# KiCad board Wrap030-Multiuser.kicad_pcb (continued)
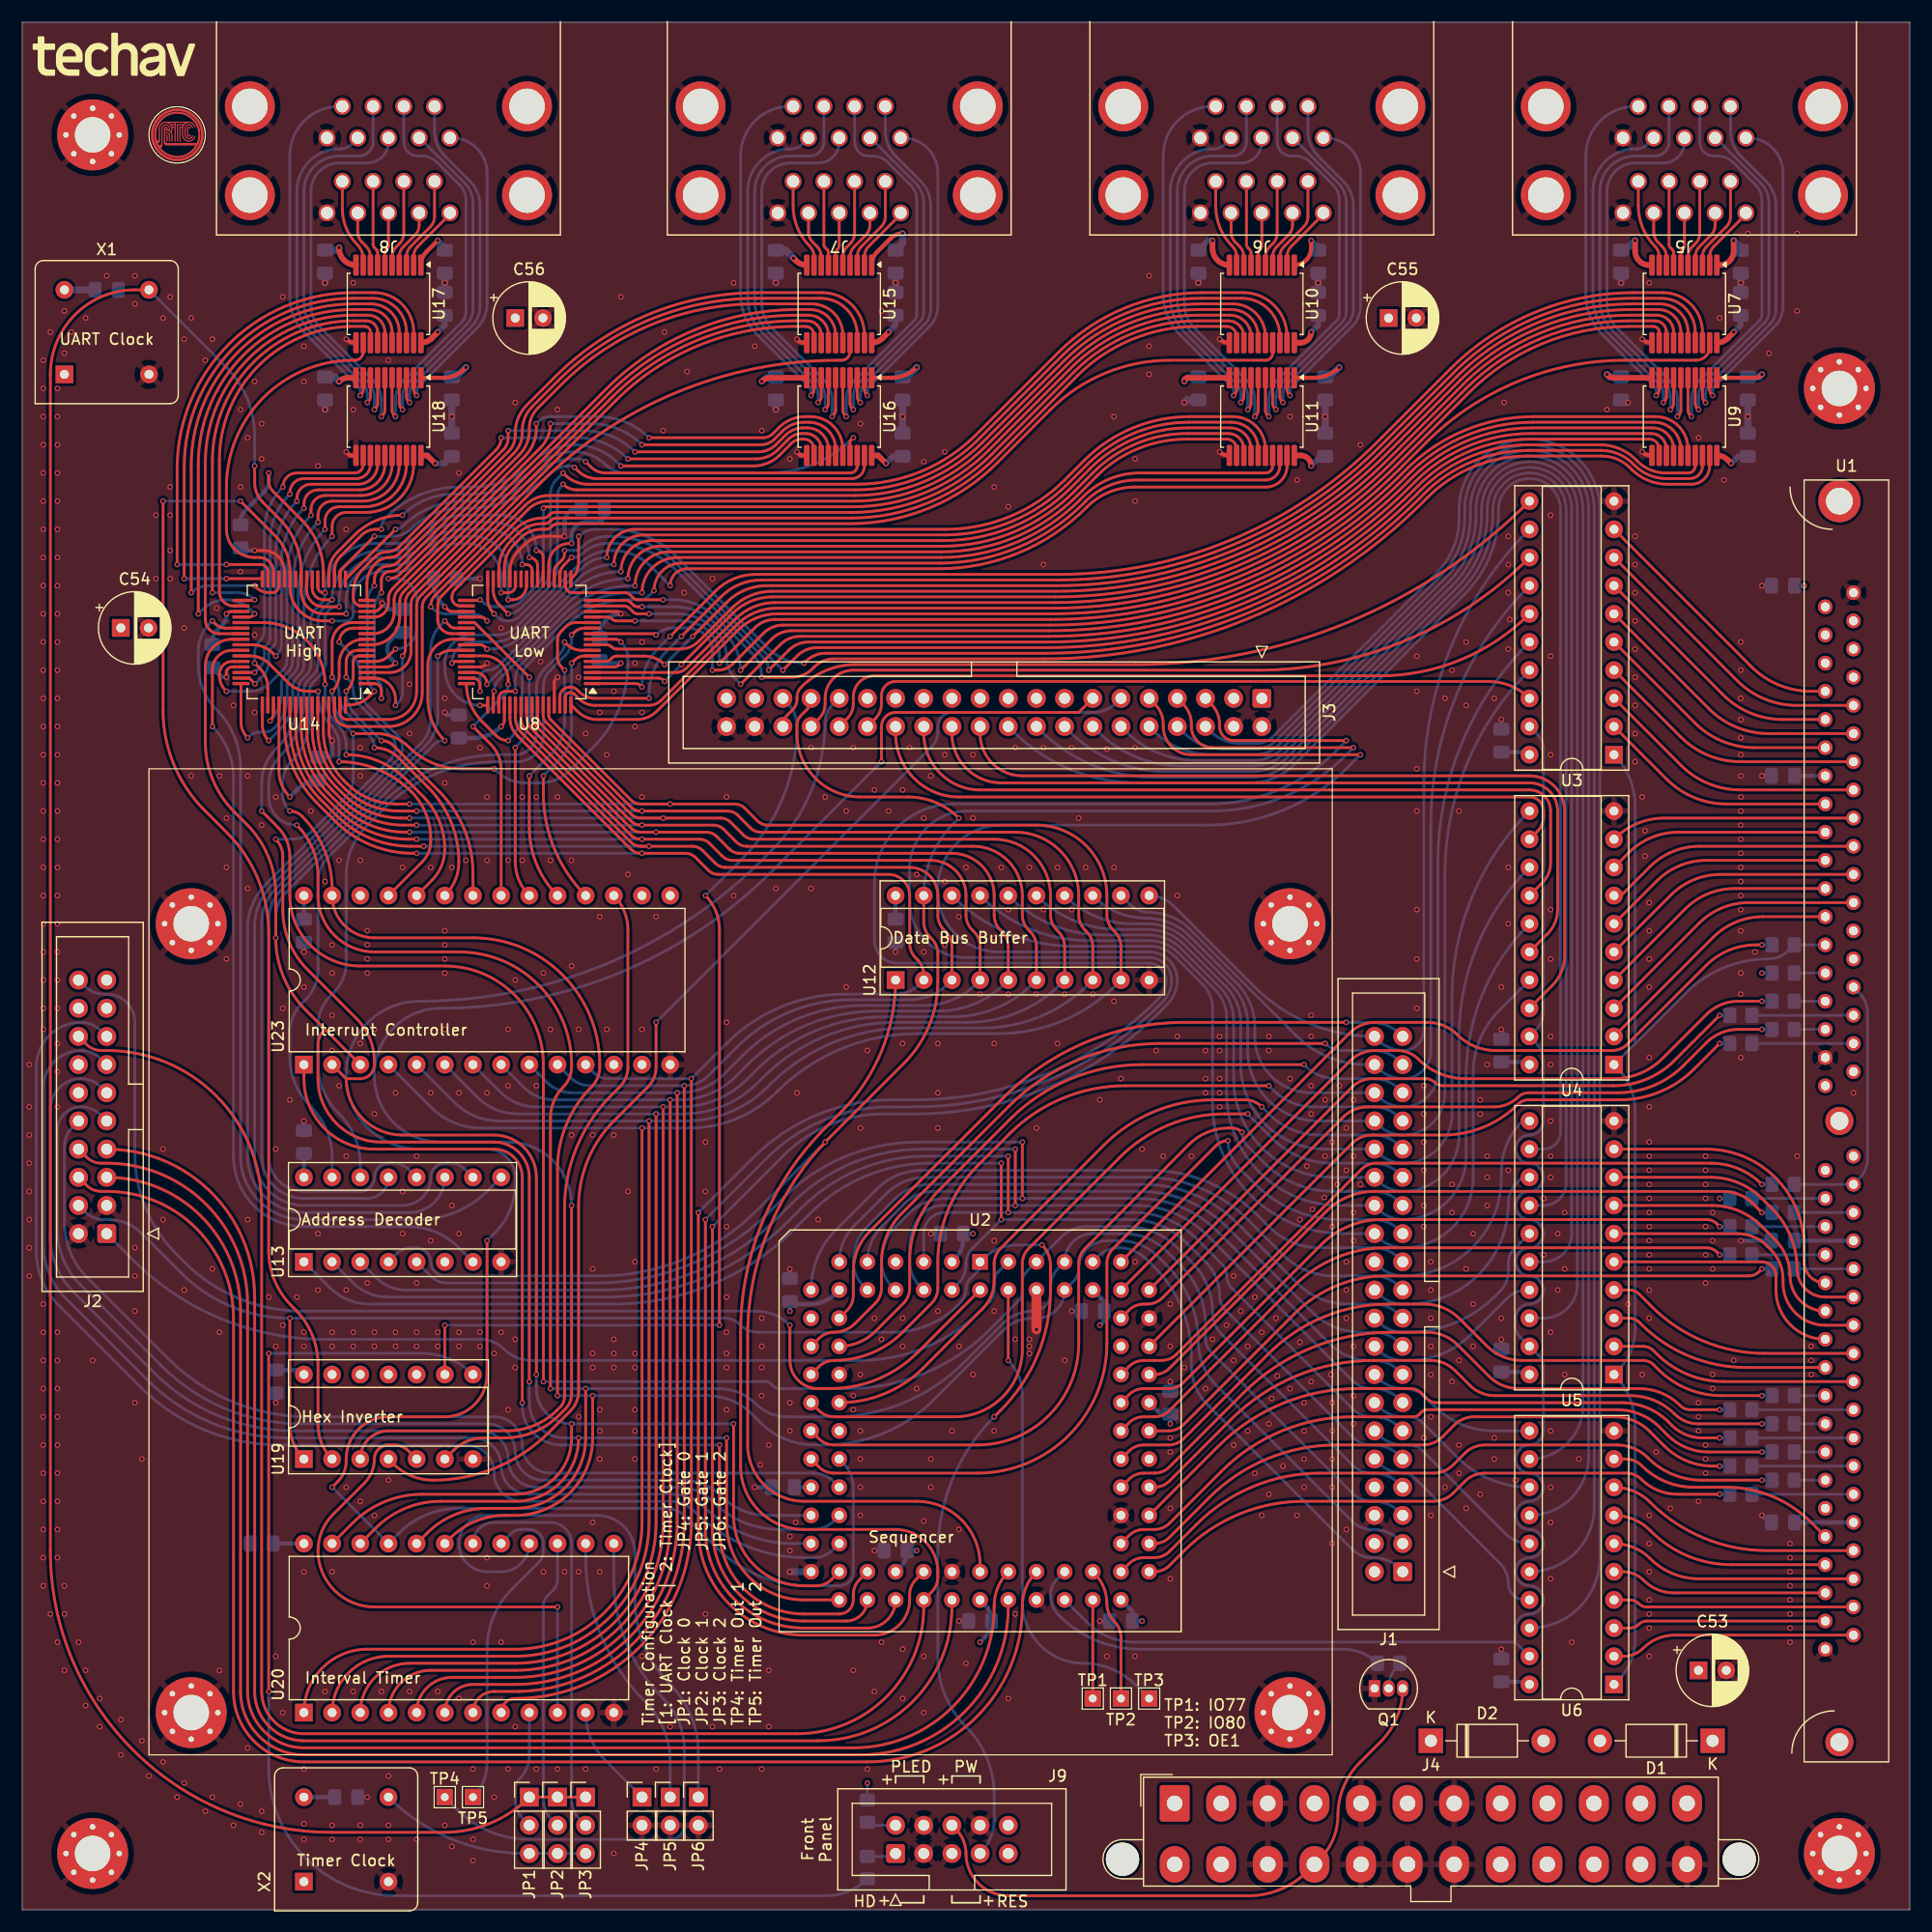
[diagram p0: board, top side]
## Footprints (pads in the part's own frame, mm; a bottom-side part is the same pattern mirrored in y, then rotated) (continued)
  round 1.422 hole 0.8: 2(0,-2.54) 3(-2.54,0) 4(-2.54,-2.54) 5(-5.08,0) 6(-5.08,-2.54) 7(-7.62,0) 8(-7.62,-2.54) 9(-10.16,0) 10(-10.16,-2.54) 11(-12.7,0) 12(-15.24,-2.54) 13(-12.7,-2.54) 14(-15.24,-5.08) 15(-12.7,-5.08) 16(-15.24,-7.62) 17(-12.7,-7.62) 18(-15.24,-10.16) 19(-12.7,-10.16) 20(-15.24,-12.7) 21(-12.7,-12.7) 22(-15.24,-15.24) 23(-12.7,-15.24) 24(-15.24,-17.78) 25(-12.7,-17.78) 26(-15.24,-20.32) 27(-12.7,-20.32) 28(-15.24,-22.86) 29(-12.7,-22.86) 30(-15.24,-25.4) 31(-12.7,-25.4) 32(-15.24,-27.94) 33(-12.7,-30.48) 34(-12.7,-27.94) 35(-10.16,-30.48) 36(-10.16,-27.94) 37(-7.62,-30.48) 38(-7.62,-27.94) 39(-5.08,-30.48) 40(-5.08,-27.94) 41(-2.54,-30.48) 42(-2.54,-27.94) 43(0,-30.48) 44(0,-27.94) 45(2.54,-30.48) 46(2.54,-27.94) 47(5.08,-30.48) 48(5.08,-27.94) 49(7.62,-30.48) 50(7.62,-27.94) 51(10.16,-30.48) 52(10.16,-27.94) 53(12.7,-30.48) 54(15.24,-27.94) 55(12.7,-27.94) 56(15.24,-25.4) 57(12.7,-25.4) 58(15.24,-22.86) 59(12.7,-22.86) 60(15.24,-20.32) 61(12.7,-20.32) 62(15.24,-17.78) 63(12.7,-17.78) 64(15.24,-15.24) 65(12.7,-15.24) 66(15.24,-12.7) 67(12.7,-12.7) 68(15.24,-10.16) 69(12.7,-10.16) 70(15.24,-7.62) 71(12.7,-7.62) 72(15.24,-5.08) 73(12.7,-5.08) 74(15.24,-2.54) 75(12.7,0) 76(12.7,-2.54) 77(10.16,0) 78(10.16,-2.54) 79(7.62,0) 80(7.62,-2.54) 81(5.08,0) 82(5.08,-2.54) 83(2.54,0) 84(2.54,-2.54)
R_0805_2012Metric_Pad1.20x1.40mm_HandSolder
  rrect 1.2x1.4 smd: 1(-1,0) 2(1,0)
SIMM72
  round 3.81 hole 2.413: (-55.88,0)
  round 2.54 hole 1.626: (0,0) (56.007,0)
  round 1.321 hole 0.813: 1(47.625,-1.27) 2(46.355,1.27) 3(45.085,-1.27) 4(43.815,1.27) 5(42.545,-1.27) 6(41.275,1.27) 7(40.005,-1.27) 8(38.735,1.27) 9(37.465,-1.27) 10(36.195,1.27) 11(34.925,-1.27) 12(33.655,1.27) 13(32.385,-1.27) 14(31.115,1.27) 15(29.845,-1.27) 16(28.575,1.27) 17(27.305,-1.27) 18(26.035,1.27) 19(24.765,-1.27) 20(23.495,1.27) 21(22.225,-1.27) 22(20.955,1.27) 23(19.685,-1.27) 24(18.415,1.27) 25(17.145,-1.27) 26(15.875,1.27) 27(14.605,-1.27) 28(13.335,1.27) 29(12.065,-1.27) 30(10.795,1.27) 31(9.525,-1.27) 32(8.255,1.27) 33(6.985,-1.27) 34(5.715,1.27) 35(4.445,-1.27) 36(3.175,1.27) 37(-3.175,-1.27) 38(-4.445,1.27) 39(-5.715,-1.27) 40(-6.985,1.27) 41(-8.255,-1.27) 42(-9.525,1.27) 43(-10.795,-1.27) 44(-12.065,1.27) 45(-13.335,-1.27) 46(-14.605,1.27) 47(-15.875,-1.27) 48(-17.145,1.27) 49(-18.415,-1.27) 50(-19.685,1.27) 51(-20.955,-1.27) 52(-22.225,1.27) 53(-23.495,-1.27) 54(-24.765,1.27) 55(-26.035,-1.27) 56(-27.305,1.27) 57(-28.575,-1.27) 58(-29.845,1.27) 59(-31.115,-1.27) 60(-32.385,1.27) 61(-33.655,-1.27) 62(-34.925,1.27) 63(-36.195,-1.27) 64(-37.465,1.27) 65(-38.735,-1.27) 66(-40.005,1.27) 67(-41.275,-1.27) 68(-42.545,1.27) 69(-43.815,-1.27) 70(-45.085,1.27) 71(-46.355,-1.27) 72(-47.625,1.27)
SSOP-20_5.3x7.2mm_P0.65mm
  rrect 1.9x0.5 smd: 1(-3.5,2.925) 2(-3.5,2.275) 3(-3.5,1.625) 4(-3.5,0.975) 5(-3.5,0.325) 6(-3.5,-0.325) 7(-3.5,-0.975) 8(-3.5,-1.625) 9(-3.5,-2.275) 10(-3.5,-2.925) 11(3.5,-2.925) 12(3.5,-2.275) 13(3.5,-1.625) 14(3.5,-0.975) 15(3.5,-0.325) 16(3.5,0.325) 17(3.5,0.975) 18(3.5,1.625) 19(3.5,2.275) 20(3.5,2.925)
TestPoint_THTPad_1.5x1.5mm_Drill0.7mm
  rect 1.5x1.5 hole 0.7: 1(0,0)
TO-92_Inline
  rect 1.05x1.5 hole 0.75: 1(0,0)
  oval 1.05x1.5 hole 0.75: 2(1.27,0) 3(2.54,0)

## Nets
+3.3V: J4.1 J4.2 J4.12 J4.13
+5VP: J4.9
+12V: C2.1 C5.1 C8.1 C11.1 C14.1 C17.1 C20.1 C23.1 D1.1 U7.1 U9.1 U10.1 U11.1 U15.1 U16.1 U17.1 U18.1
-12V: C3.2 C6.2 C9.2 C12.2 C15.2 C18.2 C21.2 C24.2 D2.2 U7.10 U9.10 U10.10 U11.10 U15.10 U16.10 U17.10 U18.10
/+12V-In: D1.2 J4.10 J4.11
/-12V-In: D2.1 J4.14
GND: C1.2 C2.2 C3.1 C4.2 C5.2 C6.1 C7.2 C8.2 C9.1 C10.2 C11.2 C12.1 C13.2 C14.2 C15.1 C16.2 C17.2 C18.1 C19.2 C20.2 C21.1 C22.2 C23.2 C24.1 C25.2 C26.2 C27.2 C28.2 C29.2 C30.2 C31.2 C32.2 C33.2 C34.2 C35.2 C36.2 C37.2 C38.2 C39.2 C40.2 C41.2 C42.2 C43.2 C44.2 C45.2 C46.2 C47.2 C48.2 C49.2 C50.2 C51.2 C52.2 C53.2 C54.2 C55.2 C56.2 C57.2 C58.2 C59.2 H1.1 H2.1 H3.1 H4.1 H5.1 H6.1 H7.1 H8.1 J1.6 J1.8 J2.2 J2.3 J3.2 J3.4 J3.38 J3.40 J4.3 J4.5 J4.7 J4.15 J4.17 J4.18 J4.19 J4.24 J5.A5 J5.B5 J5.S J6.A5 J6.B5 J6.S J7.A5 J7.B5 J7.S J8.A5 J8.B5 J8.S J9.3 J9.4 J9.5 J9.8 JP4.2 JP5.2 JP6.2 Q1.1 U1.1 U1.39 U1.72 U2.7 U2.19 U2.32 U2.42 U2.47 U2.59 U2.72 U2.82 U3.10 U4.10 U5.10 U6.10 U7.11 U8.14 U8.28 U8.45 U8.61 U9.11 U10.11 U11.11 U12.10 U13.8 U14.14 U14.28 U14.45 U14.61 U15.11 U16.11 U17.11 U18.11 U19.7 U20.12 U23.14 X1.4 X2.4
VCC: C1.1 C4.1 C7.1 C10.1 C13.1 C16.1 C19.1 C22.1 C25.1 C26.1 C27.1 C28.1 C29.1 C30.1 C31.1 C32.1 C33.1 C34.1 C35.1 C36.1 C37.1 C38.1 C39.1 C40.1 C41.1 C42.1 C43.1 C44.1 C45.1 C46.1 C47.1 C48.1 C49.1 C50.1 C51.1 C52.1 C53.1 C54.1 C55.1 C56.1 C57.1 C58.1 C59.1 J1.2 J1.4 J3.1 J3.3 J3.37 J3.39 J4.4 J4.6 J4.21 J4.22 J4.23 R19.1 R20.1 R22.1 U1.10 U1.30 U1.59 U2.3 U2.13 U2.26 U2.38 U2.43 U2.53 U2.66 U2.78 U3.20 U4.20 U5.20 U6.20 U7.20 U8.4 U8.21 U8.35 U8.52 U9.20 U10.20 U11.20 U12.20 U13.6 U13.16 U14.4 U14.21 U14.35 U14.52 U15.20 U16.20 U17.20 U18.20 U19.14 U20.24 U23.28 X1.8 X2.8
/COM0-CTS: J5.A8 U7.7
/COM0-DCD: J5.A1 U7.2
/COM0-DSR: J5.A6 U7.3
/COM0-DTR: J5.A4 U7.8
/COM0-RI: J5.A9 U7.9
/COM0-RTS: J5.A7 U7.5
/COM0-RXD: J5.A2 U7.4
/COM0-TXD: J5.A3 U7.6
/COM1-CTS: J5.B8 U9.7
/COM1-DCD: J5.B1 U9.2
/COM1-DSR: J5.B6 U9.3
/COM1-DTR: J5.B4 U9.8
/COM1-RI: J5.B9 U9.9
/COM1-RTS: J5.B7 U9.5
/COM1-RXD: J5.B2 U9.4
/COM1-TXD: J5.B3 U9.6
/COM2-CTS: J6.A8 U10.7
/COM2-DCD: J6.A1 U10.2
/COM2-DSR: J6.A6 U10.3
/COM2-DTR: J6.A4 U10.8
/COM2-RI: J6.A9 U10.9
/COM2-RTS: J6.A7 U10.5
/COM2-RXD: J6.A2 U10.4
/COM2-TXD: J6.A3 U10.6
/COM3-CTS: J6.B8 U11.7
/COM3-DCD: J6.B1 U11.2
/COM3-DSR: J6.B6 U11.3
/COM3-DTR: J6.B4 U11.8
/COM3-RI: J6.B9 U11.9
/COM3-RTS: J6.B7 U11.5
/COM3-RXD: J6.B2 U11.4
/COM3-TXD: J6.B3 U11.6
/COM4-CTS: J7.A8 U15.7
/COM4-DCD: J7.A1 U15.2
/COM4-DSR: J7.A6 U15.3
/COM4-DTR: J7.A4 U15.8
/COM4-RI: J7.A9 U15.9
/COM4-RTS: J7.A7 U15.5
/COM4-RXD: J7.A2 U15.4
/COM4-TXD: J7.A3 U15.6
/COM5-CTS: J7.B8 U16.7
/COM5-DCD: J7.B1 U16.2
/COM5-DSR: J7.B6 U16.3
/COM5-DTR: J7.B4 U16.8
/COM5-RI: J7.B9 U16.9
/COM5-RTS: J7.B7 U16.5
/COM5-RXD: J7.B2 U16.4
/COM5-TXD: J7.B3 U16.6
/COM6-CTS: J8.A8 U17.7
/COM6-DCD: J8.A1 U17.2
/COM6-DSR: J8.A6 U17.3
/COM6-DTR: J8.A4 U17.8
/COM6-RI: J8.A9 U17.9
/COM6-RTS: J8.A7 U17.5
/COM6-RXD: J8.A2 U17.4
/COM6-TXD: J8.A3 U17.6
/COM7-CTS: J8.B8 U18.7
/COM7-DCD: J8.B1 U18.2
/COM7-DSR: J8.B6 U18.3
/COM7-DTR: J8.B4 U18.8
/COM7-RI: J8.B9 U18.9
/COM7-RTS: J8.B7 U18.5
/COM7-RXD: J8.B2 U18.4
/COM7-TXD: J8.B3 U18.6
/CPU-A0: J2.10 U2.27
/CPU-A1: J1.1 U2.77
/CPU-A2: J1.3 U2.80 U8.24 U14.24 U20.19 U23.27
/CPU-A3: J1.5 U2.79 U8.23 U14.23 U20.20
/CPU-A4: J1.7 U2.81 U8.22 U14.22
/CPU-A5: J1.9 U2.4 U13.1
/CPU-A6: J1.11 U2.5 U13.2
/CPU-A7: J1.13 U2.6 U13.3
/CPU-A8: J1.15 U2.8 U13.5
/CPU-A9: J1.17 U2.9
/CPU-A10: J1.19 U2.10
/CPU-A11: J1.21 U2.11
/CPU-A12: J1.23 U2.12
/CPU-A13: J1.25 U2.24
/CPU-A14: J1.27 U2.22
/CPU-A15: J1.29 U2.20
/CPU-A16: J1.31 U2.21
/CPU-A17: J1.33 U2.18
/CPU-A18: J1.35 U2.17
/CPU-A19: J1.37 U2.16
/CPU-A20: J1.39 U2.15
/CPU-A21: J2.9 U2.28
/CPU-A22: J2.11 U2.29
/CPU-A23: J2.13 U2.30
/CPU-A31: J2.15 U2.31
/CPU-CLK: J2.1 U2.83
/CPU-D0: J3.6 U6.18
/CPU-D1: J3.8 U6.16
/CPU-D2: J3.10 U6.14
/CPU-D3: J3.12 U6.12
/CPU-D4: J3.14 U5.18
/CPU-D5: J3.16 U5.16
/CPU-D6: J3.18 U5.14
/CPU-D7: J3.20 U5.12
/CPU-D8: J3.22 U4.18
/CPU-D9: J3.24 U4.16
/CPU-D10: J3.26 U4.14
/CPU-D11: J3.28 U4.12
/CPU-D12: J3.30 U3.18
/CPU-D13: J3.32 U3.15
/CPU-D14: J3.34 U3.13
/CPU-D15: J3.36 U3.11
/CPU-D16: J1.10 U6.17
/CPU-D17: J1.12 U6.15
/CPU-D18: J1.14 U6.13
/CPU-D19: J1.16 U6.11
/CPU-D20: J1.18 U5.17
/CPU-D21: J1.20 U5.15
/CPU-D22: J1.22 U5.13
/CPU-D23: J1.24 U5.11
/CPU-D24: J1.26 U4.17 U12.18
/CPU-D25: J1.28 U4.15 U12.17
/CPU-D26: J1.30 U4.13 U12.16
/CPU-D27: J1.32 U4.11 U12.15
/CPU-D28: J1.34 U3.17 U12.14
/CPU-D29: J1.36 U3.16 U12.13
/CPU-D30: J1.38 U3.14 U12.12
/CPU-D31: J1.40 U3.12 U12.11
/CPU-FC0: J2.19
/CPU-FC1: J2.17
/CPU-R/~{W}: J2.16 U2.39 U12.1
/CPU-SIZ0: J2.8 U2.46
/CPU-SIZ1: J2.6 U2.48
/GLU-TCK: U2.62
/GLU-TDI: U2.14
/GLU-TDO: U2.71
/GLU-TMS: U2.23
/IDE-CE: R23.1 U19.8
/IDE-CE-R: J9.1 R23.2
/IRQ0: U19.3 U23.17
/MEM-A0: R1.1 U2.54
/MEM-A0-R: R1.2 U1.12
/MEM-A1: R2.1 U2.55
/MEM-A1-R: R2.2 U1.13
/MEM-A2: R3.1 U2.56
/MEM-A2-R: R3.2 U1.14
/MEM-A3: R4.1 U2.57
/MEM-A3-R: R4.2 U1.15
/MEM-A4: R5.1 U2.58
/MEM-A4-R: R5.2 U1.16
/MEM-A5: R6.1 U2.60
/MEM-A5-R: R6.2 U1.17
/MEM-A6: R7.1 U2.61
/MEM-A6-R: R7.2 U1.18
/MEM-A7: R8.1 U2.64
/MEM-A7-R: R8.2 U1.28
/MEM-A8: R9.1 U2.67
/MEM-A8-R: R9.2 U1.31
/MEM-A9: R10.1 U2.68
/MEM-A9-R: R10.2 U1.32
/MEM-A10: R11.1 U2.63
/MEM-A10-R: R11.2 U1.19
/MEM-A11: R12.1 U2.65
/MEM-A11-R: R12.2 U1.29
/MEM-D0: U1.2 U6.2
/MEM-D1: U1.4 U6.4
/MEM-D2: U1.6 U6.6
/MEM-D3: U1.8 U6.8
/MEM-D4: U1.20 U5.2
/MEM-D5: U1.22 U5.4
/MEM-D6: U1.24 U5.6
/MEM-D7: U1.26 U5.8
/MEM-D8: U1.49 U4.2
/MEM-D9: U1.51 U4.4
/MEM-D10: U1.53 U4.6
/MEM-D11: U1.55 U4.8
/MEM-D12: U1.57 U3.2
/MEM-D13: U1.61 U3.5
/MEM-D14: U1.63 U3.7
/MEM-D15: U1.65 U3.9
/MEM-D16: U1.3 U6.3
/MEM-D17: U1.5 U6.5
/MEM-D18: U1.7 U6.7
/MEM-D19: U1.9 U6.9
/MEM-D20: U1.21 U5.3
/MEM-D21: U1.23 U5.5
/MEM-D22: U1.25 U5.7
/MEM-D23: U1.27 U5.9
/MEM-D24: U1.50 U4.3
/MEM-D25: U1.52 U4.5
/MEM-D26: U1.54 U4.7
/MEM-D27: U1.56 U4.9
/MEM-D28: U1.58 U3.3
/MEM-D29: U1.60 U3.4
/MEM-D30: U1.62 U3.6
/MEM-D31: U1.64 U3.8
/PIT-CLK: JP1.3 JP2.3 JP3.3 X2.5
/PIT-CLK0: JP1.2 U20.9
/PIT-CLK1: JP2.2 U20.15
/PIT-CLK2: JP3.2 U20.18
/PIT-GATE0: JP4.1 U20.11
/PIT-GATE1: JP5.1 U20.14
/PIT-GATE2: JP6.1 U20.16
/PIT-OUT0: U19.5 U20.10
/PIT-OUT1: TP4.1 U20.13
/PIT-OUT2: TP5.1 U20.17
/PSU-ON: R21.1 U2.50
/PSU-ON-R: Q1.2 R21.2
/PWR-LED: J9.2 R22.2
/RESET: U8.27 U14.27 U19.2
/UART0-CTS: U7.14 U8.2
/UART0-DCD: U7.19 U8.64
/UART0-DSR: U7.18 U8.1
/UART0-DTR: U7.13 U8.3
/UART0-INT: U8.6 U23.18
/UART0-RI: U7.12 U8.63
/UART0-RTS: U7.16 U8.5
/UART0-RXD: U7.17 U8.62
/UART0-TXD: U7.15 U8.8
/UART1-CTS: U8.16 U9.14
/UART1-DCD: U8.18 U9.19
/UART1-DSR: U8.17 U9.18
/UART1-DTR: U8.15 U9.13
/UART1-INT: U8.12 U23.19
/UART1-RI: U8.19 U9.12
/UART1-RTS: U8.13 U9.16
/UART1-RXD: U8.20 U9.17
/UART1-TXD: U8.10 U9.15
/UART2-CTS: U8.33 U10.14
/UART2-DCD: U8.31 U10.19
/UART2-DSR: U8.32 U10.18
/UART2-DTR: U8.34 U10.13
/UART2-INT: U8.37 U23.20
/UART2-RI: U8.30 U10.12
/UART2-RTS: U8.36 U10.16
/UART2-RXD: U8.29 U10.17
/UART2-TXD: U8.39 U10.15
/UART3-CTS: U8.47 U11.14
/UART3-DCD: U8.49 U11.19
/UART3-DSR: U8.48 U11.18
/UART3-DTR: U8.46 U11.13
/UART3-INT: U8.43 U23.21
/UART3-RI: U8.50 U11.12
/UART3-RTS: U8.44 U11.16
/UART3-RXD: U8.51 U11.17
/UART3-TXD: U8.41 U11.15
/UART4-CTS: U14.2 U15.14
/UART4-DCD: U14.64 U15.19
/UART4-DSR: U14.1 U15.18
/UART4-DTR: U14.3 U15.13
/UART4-INT: U14.6 U23.22
/UART4-RI: U14.63 U15.12
/UART4-RTS: U14.5 U15.16
/UART4-RXD: U14.62 U15.17
/UART4-TXD: U14.8 U15.15
/UART5-CTS: U14.16 U16.14
/UART5-DCD: U14.18 U16.19
/UART5-DSR: U14.17 U16.18
/UART5-DTR: U14.15 U16.13
/UART5-INT: U14.12 U23.23
/UART5-RI: U14.19 U16.12
/UART5-RTS: U14.13 U16.16
/UART5-RXD: U14.20 U16.17
/UART5-TXD: U14.10 U16.15
/UART6-CTS: U14.33 U17.14
/UART6-DCD: U14.31 U17.19
/UART6-DSR: U14.32 U17.18
/UART6-DTR: U14.34 U17.13
/UART6-INT: U14.37 U23.24
/UART6-RI: U14.30 U17.12
/UART6-RTS: U14.36 U17.16
/UART6-RXD: U14.29 U17.17
/UART6-TXD: U14.39 U17.15
/UART7-CTS: U14.47 U18.14
/UART7-DCD: U14.49 U18.19
/UART7-DSR: U14.48 U18.18
/UART7-DTR: U14.46 U18.13
/UART7-INT: U14.43 U23.25
/UART7-RI: U14.50 U18.12
/UART7-RTS: U14.44 U18.16
/UART7-RXD: U14.51 U18.17
/UART7-TXD: U14.41 U18.15
/UART-CLK: JP1.1 JP2.1 JP3.1 U8.25 U14.25 X1.5
/UART-D24: U8.53 U12.2 U14.53 U20.8 U23.11
/UART-D25: U8.54 U12.3 U14.54 U20.7 U23.10
/UART-D26: U8.55 U12.4 U14.55 U20.6 U23.9
/UART-D27: U8.56 U12.5 U14.56 U20.5 U23.8
/UART-D28: U8.57 U12.6 U14.57 U20.4 U23.7
/UART-D29: U8.58 U12.7 U14.58 U20.3 U23.6
/UART-D30: U8.59 U12.8 U14.59 U20.2 U23.5
/UART-D31: U8.60 U12.9 U14.60 U20.1 U23.4
/~{CPU-AS}: J2.20 U2.2
/~{CPU-BERR}: J2.12
/~{CPU-CBACK}: J3.7 U2.37
/~{CPU-CBREQ}: J3.5 U2.40
/~{CPU-DSACK0}: J2.7 U2.41
/~{CPU-DSACK1}: J2.5 U2.45
/~{CPU-DS}: J2.18
/~{CPU-HALT}: J2.14
/~{CPU-STERM}: J3.9 U2.35
/~{IDE-CE}: J3.35 U19.9
/~{IO-RD}: U2.33 U8.40 U14.40 U20.22 U23.3
/~{IO-WR}: U2.34 U8.9 U14.9 U20.23 U23.2
/~{IRQ0}: J3.11 U19.4
/~{IRQ1}: J3.13 U19.6
/~{MEM-CAS0-R}: R14.2 U1.40
/~{MEM-CAS0}: R14.1 U2.70
/~{MEM-CAS1-R}: R15.2 U1.43
/~{MEM-CAS1}: R15.1 U2.76
/~{MEM-CAS2-R}: R16.2 U1.41
/~{MEM-CAS2}: R16.1 U2.73
/~{MEM-CAS3-R}: R17.2 U1.42
/~{MEM-CAS3}: R17.1 U2.74
/~{MEM-CE}: U2.49 U3.19 U4.19 U5.19 U6.19
/~{MEM-RAS-R}: R13.2 U1.34 U1.44
/~{MEM-RAS}: R13.1 U2.69
/~{MEM-WE-R}: R18.2 U1.47 U3.1 U4.1 U5.1 U6.1
/~{MEM-WE}: R18.1 U2.75
/~{PIC-CE}: U2.36 U23.1
/~{PIT-CE}: J3.31 U2.25 U20.21
/~{PSU-ON}: J4.16 J9.6 Q1.3
/~{RESET}: J2.4 J9.7 U2.1 U19.1
/~{UART0-CS}: U8.7 U13.15
/~{UART1-CS}: U8.11 U13.14
/~{UART2-CS}: U8.38 U13.13
/~{UART3-CS}: U8.42 U13.12
/~{UART4-CS}: U13.11 U14.7
/~{UART5-CS}: U13.10 U14.11
/~{UART6-CS}: U13.9 U14.38
/~{UART7-CS}: U13.7 U14.42
/~{UART-CE}: J3.33 U2.44 U12.19 U13.4
Net-(U1-~{RAS1}): R19.2 U1.45
Net-(U1-~{RAS3}): R20.2 U1.33
Net-(U2A-IO77): TP1.1 U2.51
Net-(U2A-IO80): TP2.1 U2.52
Net-(U2A-OE1): TP3.1 U2.84

Pads without a net: J3 15 17 19 21 23 25 27 29; J4 8 20; J9 9 10; U1 11 35 36 37 38 46 48 66 67 68 69 70 71; U8 26; U14 26; U19 10 11 12 13; U23 12 13 15 16 26; X1 1; X2 1

## Via types
v1: diameter 0.5, hole 0.3, Top to Bottom, 1148 vias

## Routing (per net, layer and track width the routed paths; a pad name or vN(x,y) marks a point on that pad's centre or on a via; arc(x,y) is an arc through that point)
+12V: length 41.8
  Top w0.381: U18.1 38.01,138.12 arc(38.98,138.31) 39.8,138.86 v1(40.01,139.06) ; v1(116.2,150.5) 116.2,149.8 arc(115.76,148.73) U10.1 ; U11.1 116.46,138.12 arc(117.7,138.37) v1(118.74,139.06) ; 153.04,148.28 U7.1 ; v1(156.85,138.43) 156.72,138.31 arc(156.51,138.17) 156.27,138.12 U9.1 ; U16.1 78.36,138.12 arc(79.6,138.37) v1(80.64,139.06) ; v1(37.47,150.5) 36.44,149.47 arc(36.07,148.92) U17.1 ; U15.1 arc(76.71,148.92) 77.08,149.47 78.29,150.68 arc(78.79,151.01) v1(79.38,151.13)
  Top w0.508: v1(154.31,150.5) 154.31,149.55 arc(153.93,148.65) 153.04,148.28
  Bottom w0.508: v1(37.47,150.5) 38.1,149.86 C20.1 ; v1(116.2,150.5) 116.84,149.86 C8.1
  Bottom w0.635: v1(156.85,138.43) 156.61,138.2 C5.1 ; C17.1 79.78,138.2 v1(80.64,139.06) ; C11.1 117.88,138.2 v1(118.74,139.06) ; v1(79.38,151.13) 79.38,150.26 C14.1 ; v1(40.01,139.06) 39.14,138.2 C23.1 ; v1(154.31,150.5) 154.94,149.86 C2.1
-12V: length 36.5
  Top w0.508: U11.10 105.03,138.12 arc(104.85,138.05) 104.77,137.87 v1(104.77,137.8) ; U16.10 67.46,138.12 arc(67.03,138.04) v1(66.67,137.8) ; v1(69.53,148.91) 69.75,148.69 arc(70.2,148.39) U15.10 ; 146.94,148.28 146.69,148.28 arc(145.79,148.65) 145.42,149.55 v1(145.42,150.5) ; 146.94,138.12 143.45,138.12 arc(143.21,138.17) 143,138.31 v1(142.88,138.43) ; v1(28.58,149.86) 28.58,149.8 arc(29.02,148.73) U17.10 ; U18.10 29.36,138.12 arc(28.93,138.04) v1(28.58,137.8) ; v1(107.32,150.5) 107.32,149.8 arc(107.76,148.73) U10.10
  Bottom w0.508: C18.2 67.08,138.2 v1(66.67,137.8) ; v1(104.77,137.8) 105.18,138.2 C12.2 ; v1(107.32,150.5) 106.91,150.5 C9.2
  Bottom w0.635: C3.2 144.55,149.63 v1(145.42,150.5) ; v1(28.58,137.8) 28.17,138.2 C24.2 ; C21.2 28.34,149.63 v1(28.58,149.86) ; C6.2 143.11,138.2 v1(142.88,138.43) ; v1(69.53,148.91) 68.81,149.63 C15.2
GND: length 103.1
  Top w0.254: v1(53.98,116.84) 53.84,116.98 arc(53.76,117.03) 53.66,117.05 U8.14 ; U14.14 31.7,117.05 arc(31.9,117.08) 32.09,117.18 32.46,117.55 v1(32.46,117.81) ; v1(48.26,111.13) 48.12,110.98 arc(48.01,110.82) 47.97,110.62 U8.61 ; v1(41.91,112.4) 41.75,112.24 arc(41.54,112.1) 41.3,112.05 U8.45 ; v1(20.95,122.56) 21.75,122.56 arc(23.09,122) 23.65,120.65 U14.28 ; v1(48.89,123.83) 47.09,123.83 arc(46.12,123.63) 45.29,123.08 44.71,122.5 arc(44.16,121.68) 43.97,120.71 U8.28 ; v1(27.94,105.41) 27.94,105.41 arc(27.72,105.73) 27.65,106.11 U14.61 ; v1(18.42,111.13) 18.42,111.54 arc(18.56,111.9) 18.92,112.05 U14.45
  Top w0.381: U10.11 108.73,141.28 arc(108.31,141.36) v1(107.95,141.61) ; v1(29.21,131.44) 29.53,131.12 U18.11 ; U11.11 108.73,131.12 arc(108.31,131.2) v1(107.95,131.44) ; v1(69.85,141.61) 70.01,141.44 arc(70.19,141.32) 70.41,141.28 U15.11 ; 146.94,131.12 146.83,131.12 arc(146.41,131.2) v1(146.05,131.44) ; U17.11 29.99,141.28 arc(29.57,141.36) v1(29.21,141.61) ; U16.11 70.17,131.12 v1(69.85,131.44) ; 146.94,141.28 146.83,141.28 arc(146.41,141.36) v1(146.05,141.61)
  Top w0.889: v1(91.44,52.32) U2.82
  Bottom w0.381: C33.2 v1(133.35,107.32) ; C42.2 v1(76.84,32.39) ; C32.2 v1(41.28,120.02) ; C50.2 v1(25.4,71.12) ; v1(32.46,117.81) 33.02,117.24 C27.2 ; C47.2 v1(154.94,60.33) ; C29.2 50.17,126.37 arc(49.27,125.99) 48.89,125.1 v1(48.89,123.83) ; C48.2 v1(156.85,119.38) ; C45.2 157.48,34.93 v1(156.85,35.56) ; C30.2 52.07,114.94 arc(52.63,116.28) v1(53.98,116.84) ; C49.2 v1(25.4,86.36) ; C41.2 v1(84.45,26.04) ; v1(22.86,45.72) C52.2 ; C46.2 v1(156.85,102.24) ; C34.2 v1(133.35,79.38) ; v1(20.95,122.56) 19.92,122.56 C26.2 ; C38.2 v1(81.92,60.96) ; C36.2 v1(133.35,23.5) ; C31.2 38.33,107.72 v1(38.1,107.95) ; C25.2 27.71,103.91 27.94,104.14 v1(27.94,105.41) ; C39.2 v1(94.61,53.98) ; v1(18.42,111.13) 18.01,111.13 C28.2 ; C37.2 v1(69.22,57.79) ; C40.2 v1(103.51,47.62) ; C51.2 v1(78.74,86.36) ; C44.2 v1(66.04,38.1) ; C35.2 v1(133.35,51.44) ; C43.2 v1(97.16,26.04)
  Bottom w0.635: C9.1 v1(106.05,146.69) ; C10.2 v1(117.48,134.62) C11.2 ; C16.2 v1(79.38,134.62) C17.2 ; C15.1 v1(67.95,146.69) ; C13.2 v1(78.74,146.69) C14.2 ; v1(104.77,135.89) 105.01,136.12 C12.1 ; C4.2 v1(155.57,134.62) C5.2 ; C18.1 v1(67.95,135.25) ; C21.1 v1(27.31,146.69) ; C1.2 v1(154.94,146.69) C2.2 ; C24.1 v1(27.31,135.25) ; C22.2 v1(38.73,134.62) C23.2 ; v1(69.22,30.48) U2.32 ; C20.2 v1(38.1,146.69) C19.2 ; C8.2 v1(116.84,146.69) C7.2 ; C3.1 v1(144.14,146.69)
  vias: v1(0.64,76.2) v1(0.64,72.39) v1(0.64,69.85) v1(0.64,67.31) v1(0.64,64.77) v1(0.64,62.23) v1(0.64,59.69) v1(0.64,57.15) v1(1.91,139.7) v1(1.91,137.16) v1(1.91,134.62) v1(1.91,132.08) v1(1.91,129.54) v1(1.91,127) v1(1.91,124.46) v1(1.91,121.92) v1(1.91,119.38) v1(1.91,116.84) v1(1.91,114.3) v1(1.91,111.76) v1(1.91,109.22) v1(1.91,106.68) v1(1.91,104.14) v1(1.91,101.6) v1(1.91,99.06) v1(1.91,96.52) v1(1.91,93.98) v1(1.91,91.44) v1(1.91,88.9) v1(1.91,86.36) v1(1.91,83.82) v1(1.91,81.28) v1(1.91,79.38) v1(1.91,54.61) v1(1.91,52.07) v1(1.91,49.53) v1(1.91,46.99) v1(1.91,44.45) v1(1.91,41.91) v1(1.91,39.37) v1(1.91,36.83) v1(1.91,34.29) v1(1.91,31.75) v1(1.91,29.21) v1(2.54,142.24) v1(2.54,26.67) v1(3.18,137.16) v1(3.18,134.62) v1(3.18,132.08) v1(3.18,129.54) v1(3.18,127) v1(3.18,124.46) v1(3.18,121.92) v1(3.18,119.38) v1(3.18,116.84) v1(3.18,114.3) v1(3.18,111.76) v1(3.18,109.22) v1(3.18,106.68) v1(3.18,104.14) v1(3.18,101.6) v1(3.18,99.06) v1(3.18,96.52) v1(3.18,93.98) v1(3.18,91.44) v1(3.18,88.9) v1(3.18,86.36) v1(3.18,83.82) v1(3.18,81.28) v1(3.18,78.11) v1(3.18,75.57) v1(3.18,72.39) v1(3.18,52.07) v1(3.18,49.53) v1(3.18,46.99) v1(3.18,44.45) v1(3.18,41.91) v1(3.18,39.37) v1(3.18,36.83) v1(3.18,34.29) v1(3.18,31.75) v1(3.18,24.13) v1(3.81,144.15) v1(3.81,140.34) v1(3.81,29.21) v1(3.81,26.67) v1(3.81,21.59) v1(4.45,142.24) v1(5.08,24.13) v1(5.72,143.51) v1(5.72,21.59) v1(5.72,18.42) v1(6.35,49.53) v1(6.98,19.05) v1(6.98,16.51) v1(7.62,147.32) v1(8.89,17.15) v1(8.89,13.97) v1(10.16,147.32) v1(10.16,144.78) v1(10.16,59.69) v1(10.16,57.15) v1(10.16,53.98) v1(10.16,45.72) v1(10.8,40.64) v1(10.8,15.24) v1(11.43,12.07) v1(12.07,125.73) v1(12.07,120.02) v1(12.7,143.51) v1(12.7,68.58) v1(12.7,62.23) v1(12.7,13.34) v1(13.34,145.42) v1(13.34,128.27) v1(13.34,125.73) v1(13.34,122.56) v1(13.34,120.02) v1(13.97,10.16) v1(14.61,141.61) v1(14.61,115.57) v1(14.61,55.88) v1(14.61,11.43) v1(15.24,143.51) v1(15.24,102.24) v1(16.51,139.7) v1(16.51,8.89) v1(17.14,141.61) v1(17.14,57.79) v1(17.14,10.16) v1(17.53,117.35) v1(17.78,102.24) v1(17.78,52.07) v1(17.78,21.59) v1(18.42,98.43) v1(18.42,93.98) v1(18.42,85.73) v1(19.05,108.59) v1(19.05,7.62) v1(19.69,135.25) v1(19.69,128.27) v1(19.69,120.65) v1(19.69,9.53) v1(20.32,132.72) v1(20.32,102.24) v1(20.32,92.08) v1(20.32,62.23) v1(20.32,14.61) v1(20.95,137.8) v1(20.95,114.94) v1(20.95,107.95) v1(21.59,133.99) v1(21.59,130.81) v1(21.59,97.79) v1(21.59,8.89) v1(21.59,6.99) v1(22.23,55.25) v1(22.86,100.33) v1(22.86,68.58) v1(22.86,50.8) v1(22.86,22.86) v1(23.5,145.42) v1(23.5,81.28) v1(23.5,52.71) v1(23.5,17.78) v1(24.13,73.03) v1(24.77,55.25) v1(25.4,140.97) v1(25.4,137.8) v1(25.4,83.19) v1(25.4,52.07) v1(25.4,50.8) v1(25.4,30.48) v1(25.4,12.7) v1(25.4,7.75) v1(25.4,6.35) v1(26.03,99.06) v1(26.67,130.18) v1(26.67,60.96) v1(26.67,55.88) v1(27.31,92.71) v1(27.31,19.69) v1(27.94,87) v1(27.94,84.46) v1(27.94,80.65) v1(27.94,77.47) v1(27.94,52.07) v1(27.94,50.8) v1(27.94,30.48) v1(27.94,7.62) v1(27.94,6.35) v1(28.58,94.62) v1(28.58,74.3) v1(29.21,124.46) v1(29.21,67.95) v1(29.21,55.88) v1(29.21,38.1) v1(29.84,146.69) v1(29.84,135.25) v1(29.84,52.07) v1(29.84,50.8) v1(29.84,19.69) v1(30.48,104.78) v1(30.48,102.24) v1(30.48,94.62) v1(30.48,78.11) v1(30.48,36.83) v1(30.48,7.62) v1(30.48,6.35) v1(31.12,88.27) v1(31.12,87) v1(31.12,85.73) v1(31.12,84.46) v1(31.12,56.52) v1(31.12,10.16) v1(31.75,79.38) v1(31.75,71.76) v1(31.75,52.07) v1(31.75,50.8) v1(31.75,35.56) v1(32.39,19.69) v1(33.02,139.7) v1(33.02,38.74) v1(33.02,12.07) v1(33.02,7.62) v1(33.02,6.35) v1(33.66,73.66) v1(33.66,52.07) v1(33.66,50.8) v1(34.29,93.98) v1(34.29,64.77) v1(34.29,60.96) v1(34.92,110.49) v1(34.92,106.05) v1(34.92,19.69) v1(35.56,67.95) v1(35.56,56.52) v1(35.56,52.07) v1(35.56,50.8) v1(35.56,6.35) v1(36.83,93.98) v1(36.83,73.66) v1(36.83,60.33) v1(37.47,52.07) v1(37.47,50.8) v1(37.47,19.69) v1(38.1,109.22) v1(38.1,101.6) v1(38.1,88.27) v1(38.1,87) v1(38.1,85.73) v1(38.1,84.46) v1(38.1,79.38) v1(38.1,7.62) v1(38.73,93.98) v1(38.73,63.5) v1(38.73,5.72) v1(39.37,129.54) v1(39.37,73.66) v1(39.37,60.96) v1(39.37,52.07) v1(39.37,50.8) v1(39.37,19.05) v1(40.01,94.62) v1(40.64,24.13) v1(40.64,12.7) v1(40.64,6.35) v1(40.64,4.45) v1(41.28,104.78) v1(41.28,52.07) v1(41.28,50.8) v1(41.91,100.33) v1(41.91,94.62) v1(41.91,73.66) v1(41.91,31.75) v1(41.91,29.21) v1(42.55,50.17) v1(42.55,10.16) v1(43.18,115.57) v1(43.18,52.07) v1(43.18,24.13) v1(43.81,100.33) v1(43.81,94.62) v1(43.81,79.38) v1(43.81,74.3) v1(43.81,45.09) v1(43.81,12.7) v1(44.45,135.89) v1(44.45,83.82) v1(44.45,51.44) v1(44.45,48.9) v1(44.45,16.51) v1(45.09,100.33) v1(45.09,94.62) v1(46.36,100.33) v1(46.36,74.3) v1(46.36,12.7) v1(46.74,112.52) v1(46.99,84.46) v1(46.99,30.48) v1(47.62,94.62) v1(47.62,79.38) v1(48.26,135.25) v1(48.26,100.33) v1(48.26,12.7) v1(48.89,30.48) v1(49.53,94.62) v1(49.53,85.09) v1(49.53,69.85) v1(50.17,111.13) v1(50.17,79.38) v1(50.17,44.45) v1(50.17,30.48) v1(50.8,106.05) v1(50.8,12.7) v1(51.44,69.85) v1(51.44,57.79) v1(51.44,50.17) v1(51.44,48.9) v1(51.44,34.93) v1(52.07,107.95) v1(52.07,89.54) v1(52.07,45.09) v1(52.07,43.18) v1(52.07,40.64) v1(52.07,30.48) v1(52.7,104.14) v1(52.7,79.38) v1(53.34,109.86) v1(53.34,69.85) v1(53.34,51.44) v1(53.34,50.17) v1(53.34,48.9) v1(53.34,5.08) v1(53.98,145.42) v1(54.61,93.35) v1(54.61,64.77) v1(55.25,112.4) v1(55.25,106.68) v1(55.25,58.42) v1(55.25,50.17) v1(55.25,48.9) v1(55.25,45.09) v1(55.25,43.18) v1(55.25,40.64) v1(55.88,114.3) v1(55.88,107.95) v1(55.88,100.33) v1(55.88,79.38) v1(55.88,22.86) v1(57.15,89.54) v1(57.15,12.7) v1(57.78,133.35) v1(57.91,142.24) v1(58.42,16.51) v1(59.69,118.75) v1(59.94,138.68) v1(61.59,69.22) v1(61.59,64.77) v1(61.59,26.67) v1(62.23,120.02) v1(62.23,16.51) v1(62.87,12.7) v1(63.5,100.33) v1(63.5,80.01) v1(63.5,61.59) v1(63.5,55.25) v1(63.5,52.07) v1(63.5,50.17) v1(63.5,48.9) v1(63.5,45.09) v1(64.14,146.69) v1(64.14,91.44) v1(66.04,140.97) v1(66.55,40.13) v1(66.67,133.35) v1(66.67,53.34) v1(66.67,50.8) v1(66.67,48.9) v1(66.67,46.36) v1(66.67,12.7) v1(67.31,41.91) v1(67.31,21.59) v1(67.31,16.51) v1(67.95,92.08) v1(69.22,130.81) v1(69.22,45.72) v1(69.22,43.18) v1(69.22,33.66) v1(69.22,32.39) v1(69.72,34.93) v1(69.85,73.66) v1(71.12,104.78) v1(71.12,92.08) v1(71.76,62.23) v1(72.39,100.33) v1(74.3,99.06) v1(74.3,83.19) v1(74.93,104.78) v1(74.93,46.36) v1(74.93,45.09) v1(74.93,21.59) v1(75.56,133.99) v1(75.56,70.49) v1(75.56,48.26) v1(75.56,43.18) v1(75.56,40.64) v1(75.56,38.1) v1(75.56,35.56) v1(76.2,77.47) v1(76.2,12.7) v1(76.84,100.97) v1(76.84,53.34) v1(76.84,19.69) v1(77.47,144.15) v1(77.47,51.44) v1(77.47,24.13) v1(78.11,99.06) v1(79.38,100.97) v1(79.38,78.11) v1(79.38,53.34) v1(79.38,50.8) v1(79.38,23.5) v1(79.38,19.05) v1(80.01,104.78) v1(80.64,93.35) v1(80.64,46.99) v1(81.28,130.56) v1(81.28,98.43) v1(81.28,86.36) v1(81.28,35.05) v1(81.28,22.86) v1(81.28,17.78) v1(81.92,102.24) v1(81.92,40.64) v1(81.92,38.1) v1(82.55,78.11) v1(82.55,73.66) v1(82.55,70.49) v1(82.55,53.98) v1(83.19,131.44) v1(83.19,104.14) v1(83.19,92.71) v1(83.19,87) v1(83.82,43.18) v1(84.45,89.54) v1(84.45,50.8) v1(84.45,34.29) v1(85.09,93.98) v1(85.09,22.23) v1(85.73,104.14) v1(85.73,98.43) v1(85.73,48.26) v1(86.36,82.55) v1(87.63,128.27) v1(87.63,87.63) v1(87.63,78.11) v1(87.63,60.33) v1(87.63,53.98) v1(87.63,43.18) v1(88.27,93.98) v1(88.9,126.49) v1(88.9,90.17) v1(88.9,82.55) v1(88.9,19.05) v1(89.54,104.78) v1(89.54,51.44) v1(89.54,26.67) v1(90.8,93.98) v1(90.8,51.44) v1(90.8,50.8) v1(90.8,50.17) v1(91.44,82.55) v1(91.44,70.49) v1(92.08,121.29) v1(92.08,104.78) v1(92.08,90.17) v1(93.35,93.98) v1(93.35,78.11) v1(93.98,82.55) v1(93.98,49.53) v1(94.61,104.78) v1(94.61,90.17) v1(95.25,98.43) v1(95.89,93.98) v1(96.52,82.55) v1(97.16,73.03) v1(97.79,104.65) v1(97.79,22.86) v1(98.42,134.62) v1(98.42,93.98) v1(98.42,81.92) v1(99.06,74.93) v1(100.33,130.81) v1(100.33,127) v1(100.33,104.78) v1(100.33,58.42) v1(100.33,22.86) v1(100.96,68.58) v1(101.6,147.32) v1(101.6,140.97) v1(101.6,138.43) v1(102.23,77.47) v1(102.87,67.95) v1(103.51,54.61) v1(103.51,50.8) v1(103.51,42.55) v1(103.51,41.28) v1(103.51,36.2) v1(103.51,29.84) v1(104.14,91.44) v1(104.14,78.74) v1(104.77,48.9) v1(105.41,67.95) v1(106.68,77.47) v1(106.68,74.93) v1(106.68,73.66) v1(106.68,46.99) v1(107.32,51.44) v1(107.95,78.74) v1(107.95,77.47) v1(107.95,74.93) v1(107.95,73.66) v1(107.95,72.39) v1(108.58,52.71) v1(109.22,57.15) v1(109.22,49.53) v1(109.22,41.91) v1(109.86,53.98) v1(110.49,50.8) v1(110.49,43.18) v1(111.13,55.25) v1(111.13,39.37) v1(111.76,52.07) v1(111.76,35.56) v1(112.39,78.74) v1(112.39,77.47) v1(112.39,43.82) v1(112.39,37.47) v1(112.65,46.1) v1(113.03,53.34) v1(113.16,48.13) v1(113.67,40.01) v1(114.3,134.62) v1(114.3,74.93) v1(114.3,46.99) v1(114.94,128.91) v1(114.94,35.56) v1(115.19,62.23) v1(115.19,51.18) v1(115.57,45.72) v1(115.57,43.18) v1(115.57,40.64) v1(115.57,38.1) v1(115.82,67.06) v1(116.2,80.65) v1(116.2,78.74) v1(116.2,74.3) v1(116.2,71.76) v1(116.2,47.62) v1(116.33,63.14) v1(117.4,64.21) v1(117.48,73.03) v1(117.48,67.95) v1(117.98,48.26) v1(118.11,69.22) v1(118.11,61.59) v1(118.11,45.72) v1(118.11,43.18) v1(118.11,40.64) v1(118.11,38.1) v1(118.11,33.02) v1(118.57,65.41) v1(118.74,74.3) v1(119.38,70.49) v1(119.38,66.68) v1(119.38,58.42) v1(119.38,55.88) v1(119.38,53.34) v1(119.38,34.29) v1(120.02,73.03) v1(120.02,67.95) v1(120.02,62.87) v1(120.02,60.33) v1(120.02,50.8) v1(120.02,46.36) v1(120.02,43.82) v1(120.65,132.08) v1(120.65,65.41) v1(125.73,113.03) v1(125.73,109.86) v1(125.73,102.87) v1(125.73,99.06) v1(125.73,90.17) v1(125.73,85.73) v1(125.73,81.28) v1(126.36,74.3) v1(126.36,71.76) v1(126.36,69.22) v1(126.36,66.68) v1(126.36,63.5) v1(126.36,61.59) v1(126.36,42.55) v1(127,58.42) v1(127,55.88) v1(127,53.34) v1(127,50.8) v1(127,48.26) v1(127,44.45) v1(127,35.56) v1(128.27,109.22) v1(128.27,38.1) v1(128.91,111.76) v1(128.91,65.41) v1(128.91,62.87) v1(128.91,47.62) v1(129.54,99.06) v1(129.54,49.53) v1(129.54,41.91) v1(129.54,39.37) v1(130.18,114.3) v1(130.18,108.59) v1(130.18,57.79) v1(130.18,36.2) v1(130.81,60.96) v1(130.81,54.61) v1(130.81,50.8) v1(131.44,73.03) v1(131.44,71.76) v1(131.44,37.47) v1(132.08,76.2) v1(132.08,67.95) v1(132.08,66.04) v1(132.08,63.5) v1(132.71,109.22) v1(132.71,42.55) v1(132.71,40.64) v1(133.35,83.19) v1(133.35,53.34) v1(133.6,135.89) v1(133.99,123.83) v1(133.99,121.29) v1(133.99,118.75) v1(133.99,113.67) v1(133.99,93.98) v1(133.99,88.9) v1(133.99,66.68) v1(134.11,116.33) v1(134.62,38.74) v1(137.16,64.14) v1(137.16,59.06) v1(137.8,125.73) v1(137.8,113.03) v1(137.8,104.14) v1(137.8,90.17) v1(137.8,85.73) v1(137.8,78.74) v1(137.8,76.2) v1(137.8,71.12) v1(137.8,67.95) v1(137.8,66.04) v1(137.8,52.07) v1(137.8,43.18) v1(137.8,38.1) v1(137.8,34.93) v1(137.8,29.84) v1(138.43,60.96) v1(138.43,55.88) v1(139.06,62.87) v1(139.06,57.79) v1(139.06,48.26) v1(139.7,24.13) v1(140.33,40.64) v1(142.88,135.25) v1(144.78,135.89) v1(144.78,54.61) v1(145.42,123.83) v1(145.42,121.29) v1(145.42,118.75) v1(145.42,116.21) v1(145.42,113.67) v1(145.42,111.13) v1(145.42,108.59) v1(145.42,106.05) v1(145.42,103.51) v1(146.05,100.33) v1(146.05,48.26) v1(146.3,97.28) v1(146.3,95) v1(146.69,146.69) v1(146.69,90.81) v1(146.69,88.27) v1(146.69,85.73) v1(146.69,83.19) v1(146.69,76.84) v1(146.69,72.39) v1(146.69,69.22) v1(146.69,67.95) v1(146.69,66.68) v1(146.69,65.41) v1(146.69,64.14) v1(146.69,62.87) v1(146.69,61.59) v1(146.69,60.33) v1(146.69,59.06) v1(146.69,57.79) v1(146.69,55.88) v1(146.69,53.34) v1(146.69,35.56) v1(146.69,33.02) v1(146.69,30.48) v1(146.69,27.94) v1(146.69,26.67) v1(146.69,25.4) v1(146.69,22.86) v1(147.32,41.28) v1(148.59,36.2) v1(151.13,132.72) v1(151.13,45.72) v1(151.13,44.45) v1(151.13,43.18) v1(151.13,36.83) v1(151.76,67.95) v1(151.76,66.68) v1(151.76,65.41) v1(151.76,64.14) v1(151.76,61.59) v1(151.76,59.06) v1(151.76,56.52) v1(151.76,41.91) v1(151.76,40.64) v1(151.76,39.37) v1(152.4,62.87) v1(152.4,60.33) v1(152.4,57.79) v1(152.4,48.26) v1(152.4,46.99) v1(153.04,143.51) v1(153.42,128.91) v1(154.31,49.53) v1(154.94,114.3) v1(154.94,111.76) v1(154.94,109.22) v1(154.94,107.32) v1(154.94,105.66) v1(154.94,104.14) v1(154.94,102.24) v1(154.94,100.33) v1(154.94,99.06) v1(154.94,97.79) v1(154.94,96.52) v1(154.94,95.25) v1(154.94,93.98) v1(154.94,92.71) v1(154.94,91.44) v1(154.94,90.17) v1(154.94,88.27) v1(154.94,84.46) v1(154.94,82.55) v1(154.94,76.84) v1(155.57,151.13) v1(156.21,86.36) v1(157.48,140.34) v1(159.38,33.02) v1(159.38,31.75) v1(159.38,30.48) v1(159.38,29.21) v1(159.38,27.94) v1(159.38,26.67) v1(159.38,25.4) v1(159.38,24.13) v1(160.02,151.13) v1(160.02,144.15) v1(160.02,67.95) v1(161.29,50.8) v1(161.29,49.53) v1(161.29,48.26) v1(165.1,73.66)
VCC: length 167.9
  Top w0.254: U8.35 38.79,117.05 arc(38.55,117.1) 38.34,117.24 v1(38.1,117.48) ; U14.35 18.84,117.05 arc(18.64,117.01) 18.48,116.9 v1(18.42,116.84) ; v1(22.23,129.54) 22.23,128.8 arc(22.32,128.31) 22.6,127.9 25.23,125.27 arc(26.65,123.14) 27.15,120.63 U14.21 ; U8.4 53.37,112.05 arc(53.61,112.1) 53.82,112.24 v1(53.98,112.4) ; U14.52 23.15,102.7 arc(23.4,101.42) v1(24.13,100.33) ; U14.4 32.82,112.05 arc(33.27,112.14) v1(33.66,112.4) ; v1(49.53,123.19) 49.38,123.19 arc(48.03,122.63) 47.47,121.29 U8.21 ; v1(43.18,106.68) 43.28,106.78 arc(43.42,106.99) 43.47,107.23 U8.52
  Top w0.508: U16.20 77.16,131.12 v1(77.87,130.41) ; v1(78.11,142.24) 78.11,142.23 77.57,141.69 arc(77.12,141.39) U15.20 ; U10.20 115.24,141.28 arc(115.92,141.56) v1(116.2,142.24) ; v1(37.47,142.24) 37.47,142.23 36.93,141.69 arc(36.48,141.39) U17.20 ; U11.20 115.26,131.12 arc(115.93,130.84) v1(116.2,130.18) ; v1(37.23,130.41) 36.52,131.12 U18.20 ; v1(154.07,130.41) 153.77,130.71 arc(153.32,131.01) U9.20 ; v1(154.31,142.24) 154.31,142.23 153.77,141.69 arc(153.32,141.39) U7.20
  Bottom w0.254: R22.1 v1(76.2,11.43) ; R20.1 v1(153.04,64.14) ; R19.1 v1(156.85,84.46)
  Bottom w0.381: v1(103.51,43.82) C40.1 102.64,44.68 U2.66 ; U2.13 73.32,55.54 arc(72.29,54.85) 71.07,54.61 69.45,54.61 C37.1 v1(69.22,53.98) ; C34.1 135.66,76.43 U4.20 ; C47.1 U1.30 ; C33.1 135.66,104.37 U3.20 ; U2.3 84.11,58.71 arc(84.66,59.54) 84.86,60.51 C38.1 v1(85.73,60.96) ; v1(24.13,100.33) 24.9,101.1 arc(25.71,101.64) C25.1 ; v1(97.16,52.71) 97.56,53.11 C39.1 97.56,54.84 U2.78 ; C27.1 33.89,115.17 33.28,114.56 arc(32.91,113.66) 33.28,112.77 v1(33.66,112.4) ; C52.1 25,48.66 U19.14 ; 28.17,10.1 28.11,10.16 X2.8 ; v1(80.64,32.39) C42.1 79.78,32.31 arc(79.63,31.58) 79.22,30.96 U2.38 ; C48.1 v1(160.66,119.38) ; v1(22.23,129.54) 22.23,128.8 arc(22.13,128.31) 21.85,127.9 20.06,126.1 arc(19.78,125.69) 19.69,125.2 C26.1 ; C35.1 135.66,48.49 U5.20 ; U1.59 C46.1 ; C32.1 37.06,119.83 arc(37.3,118.61) 37.99,117.58 v1(38.1,117.48) ; C59.1 U20.24 ; C49.1 U23.28 ; v1(53.98,112.4) 52.3,112.4 C30.1 ; U1.10 C45.1 ; U6.20 135.66,20.55 C36.1 ; U2.26 C44.1 ; C51.1 U12.20 ; v1(49.53,123.19) 49.53,123.83 arc(49.9,124.72) 50.8,125.1 51.84,125.1 arc(52.29,125.28) 52.47,125.73 C29.1 ; C28.1 17.14,114.41 arc(17.24,114.89) 17.52,115.31 18.04,115.83 arc(18.32,116.25) 18.42,116.73 v1(18.42,116.84) ; U2.43 86.84,27.46 arc(87.25,26.84) 87.4,26.11 C41.1 87.4,25.96 arc(87.25,25.23) 86.84,24.61 v1(86.36,24.13) ; U2.53 100.1,26.9 C43.1 v1(100.96,26.04) ; C31.1 40.68,105.64 arc(42.03,105.91) v1(43.18,106.68) ; U13.16 C50.1
  Bottom w0.508: v1(116.2,142.24) 116.84,142.88 C7.1 ; C1.1 154.94,142.88 v1(154.31,142.24) ; v1(37.47,142.24) 38.1,142.88 C19.1 ; C22.1 38.1,130.41 v1(37.23,130.41) ; C4.1 154.71,131.04 v1(154.07,130.41) ; v1(77.87,130.41) 78.51,131.04 C16.1 ; C13.1 78.74,142.88 v1(78.11,142.24) ; C10.1 117.07,131.04 v1(116.2,130.18)
  Bottom w0.635: X1.8 C57.1
